# Altium PCB PCB5.PcbDoc (part 12 of 16) (continued)
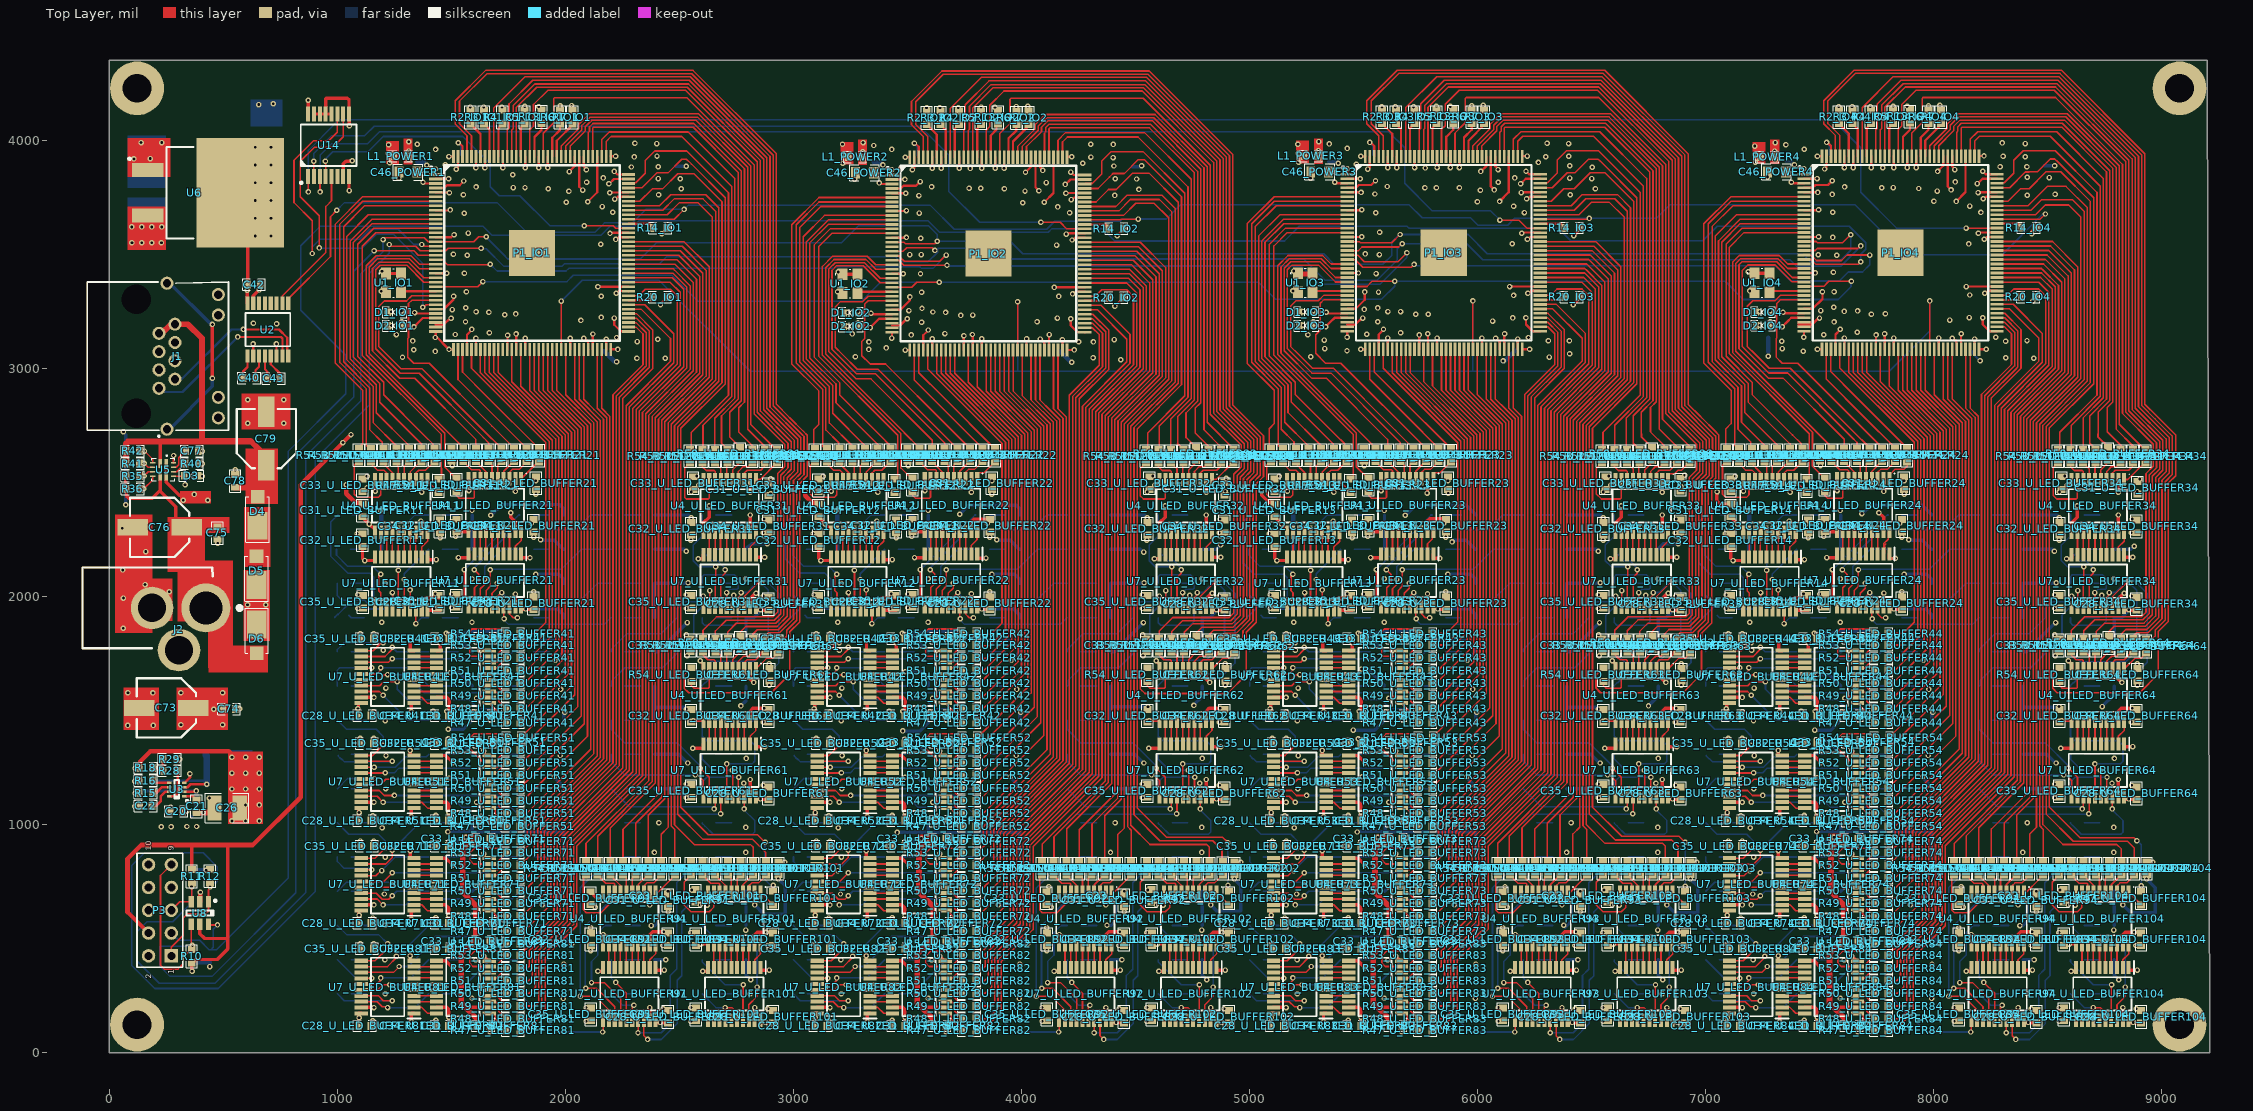
[diagram p0: Top Layer view]
## Nets (pads, with @x,y where several pads share a name; then routed paths per layer and width w, separated by ;. In a path a pad name is that pad's centre, name@x,y a point inside that pad or via, vN(x,y) a via of type N, cw(c..) or ccw(c..) an arc to the next point about the centre after c; other vN are vias at no path point) (continued)
  Top Layer w7: R51_U_LED_BUFFER11.1@1252.85,2587.16 1267.84,2572.18 U4_U_LED_BUFFER11.6@1267.84,2512.83
NetR51_U_LED_BUFFER12_1: R51_U_LED_BUFFER12.1 U4_U_LED_BUFFER12.6 | length 80.5
  Top Layer w7: R51_U_LED_BUFFER12.1@3252.85,2587.16 3267.84,2572.18 U4_U_LED_BUFFER12.6@3267.84,2512.83
NetR51_U_LED_BUFFER13_1: R51_U_LED_BUFFER13.1 U4_U_LED_BUFFER13.6 | length 80.5
  Top Layer w7: R51_U_LED_BUFFER13.1@5252.85,2587.16 5267.84,2572.18 U4_U_LED_BUFFER13.6@5267.84,2512.83
NetR51_U_LED_BUFFER14_1: R51_U_LED_BUFFER14.1 U4_U_LED_BUFFER14.6 | length 80.5
  Top Layer w7: R51_U_LED_BUFFER14.1@7252.85,2587.16 7267.84,2572.18 U4_U_LED_BUFFER14.6@7267.84,2512.83
NetR51_U_LED_BUFFER21_1: R51_U_LED_BUFFER21.1 U4_U_LED_BUFFER21.6 | length 80.5
  Top Layer w7: R51_U_LED_BUFFER21.1@1663.45,2590.5 1678.43,2575.52 U4_U_LED_BUFFER21.6@1678.43,2516.17
NetR51_U_LED_BUFFER22_1: R51_U_LED_BUFFER22.1 U4_U_LED_BUFFER22.6 | length 80.5
  Top Layer w7: R51_U_LED_BUFFER22.1@3663.45,2590.5 3678.43,2575.52 U4_U_LED_BUFFER22.6@3678.43,2516.17
NetR51_U_LED_BUFFER23_1: R51_U_LED_BUFFER23.1 U4_U_LED_BUFFER23.6 | length 80.5
  Top Layer w7: R51_U_LED_BUFFER23.1@5663.45,2590.5 5678.43,2575.52 U4_U_LED_BUFFER23.6@5678.43,2516.17
NetR51_U_LED_BUFFER24_1: R51_U_LED_BUFFER24.1 U4_U_LED_BUFFER24.6 | length 80.5
  Top Layer w7: R51_U_LED_BUFFER24.1@7663.45,2590.5 7678.43,2575.52 U4_U_LED_BUFFER24.6@7678.43,2516.17
NetR51_U_LED_BUFFER31_1: R51_U_LED_BUFFER31.1 U4_U_LED_BUFFER31.6 | length 74
  Top Layer w7: U4_U_LED_BUFFER31.6@2707.84,2512.83 2707.84,2583.28 R51_U_LED_BUFFER31.1@2710.35,2585.79
NetR51_U_LED_BUFFER32_1: R51_U_LED_BUFFER32.1 U4_U_LED_BUFFER32.6 | length 74
  Top Layer w7: U4_U_LED_BUFFER32.6@4707.84,2512.83 4707.84,2583.28 R51_U_LED_BUFFER32.1@4710.35,2585.79
NetR51_U_LED_BUFFER33_1: R51_U_LED_BUFFER33.1 U4_U_LED_BUFFER33.6 | length 74
  Top Layer w7: U4_U_LED_BUFFER33.6@6707.84,2512.83 6707.84,2583.28 R51_U_LED_BUFFER33.1@6710.35,2585.79
NetR51_U_LED_BUFFER34_1: R51_U_LED_BUFFER34.1 U4_U_LED_BUFFER34.6 | length 74
  Top Layer w7: U4_U_LED_BUFFER34.6@8707.84,2512.83 8707.84,2583.28 R51_U_LED_BUFFER34.1@8710.35,2585.79
NetR51_U_LED_BUFFER41_1: R51_U_LED_BUFFER41.1 U4_U_LED_BUFFER41.6 | length 80.5
  Top Layer w7: U4_U_LED_BUFFER41.6@1666.3,1659.96 1725.65,1659.96 R51_U_LED_BUFFER41.1@1740.63,1674.94
NetR51_U_LED_BUFFER42_1: R51_U_LED_BUFFER42.1 U4_U_LED_BUFFER42.6 | length 80.5
  Top Layer w7: U4_U_LED_BUFFER42.6@3666.3,1659.96 3725.65,1659.96 R51_U_LED_BUFFER42.1@3740.63,1674.94
NetR51_U_LED_BUFFER43_1: R51_U_LED_BUFFER43.1 U4_U_LED_BUFFER43.6 | length 80.5
  Top Layer w7: U4_U_LED_BUFFER43.6@5666.3,1659.96 5725.65,1659.96 R51_U_LED_BUFFER43.1@5740.63,1674.94
NetR51_U_LED_BUFFER44_1: R51_U_LED_BUFFER44.1 U4_U_LED_BUFFER44.6 | length 80.5
  Top Layer w7: U4_U_LED_BUFFER44.6@7666.3,1659.96 7725.65,1659.96 R51_U_LED_BUFFER44.1@7740.63,1674.94
NetR51_U_LED_BUFFER51_1: R51_U_LED_BUFFER51.1 U4_U_LED_BUFFER51.6 | length 80.5
  Top Layer w7: U4_U_LED_BUFFER51.6@1666.3,1199.96 1725.65,1199.96 R51_U_LED_BUFFER51.1@1740.63,1214.94
NetR51_U_LED_BUFFER52_1: R51_U_LED_BUFFER52.1 U4_U_LED_BUFFER52.6 | length 80.5
  Top Layer w7: U4_U_LED_BUFFER52.6@3666.3,1199.96 3725.65,1199.96 R51_U_LED_BUFFER52.1@3740.63,1214.94
NetR51_U_LED_BUFFER53_1: R51_U_LED_BUFFER53.1 U4_U_LED_BUFFER53.6 | length 80.5
  Top Layer w7: U4_U_LED_BUFFER53.6@5666.3,1199.96 5725.65,1199.96 R51_U_LED_BUFFER53.1@5740.63,1214.94
NetR51_U_LED_BUFFER54_1: R51_U_LED_BUFFER54.1 U4_U_LED_BUFFER54.6 | length 80.5
  Top Layer w7: U4_U_LED_BUFFER54.6@7666.3,1199.96 7725.65,1199.96 R51_U_LED_BUFFER54.1@7740.63,1214.94
NetR51_U_LED_BUFFER61_1: R51_U_LED_BUFFER61.1 U4_U_LED_BUFFER61.6 | length 75.3
  Top Layer w7: U4_U_LED_BUFFER61.6@2707.84,1682.83 2707.84,1751.04 R51_U_LED_BUFFER61.1@2712.85,1756.05
NetR51_U_LED_BUFFER62_1: R51_U_LED_BUFFER62.1 U4_U_LED_BUFFER62.6 | length 75.3
  Top Layer w7: U4_U_LED_BUFFER62.6@4707.84,1682.83 4707.84,1751.04 R51_U_LED_BUFFER62.1@4712.85,1756.05
NetR51_U_LED_BUFFER63_1: R51_U_LED_BUFFER63.1 U4_U_LED_BUFFER63.6 | length 75.3
  Top Layer w7: U4_U_LED_BUFFER63.6@6707.84,1682.83 6707.84,1751.04 R51_U_LED_BUFFER63.1@6712.85,1756.05
NetR51_U_LED_BUFFER64_1: R51_U_LED_BUFFER64.1 U4_U_LED_BUFFER64.6 | length 75.3
  Top Layer w7: U4_U_LED_BUFFER64.6@8707.84,1682.83 8707.84,1751.04 R51_U_LED_BUFFER64.1@8712.85,1756.05
NetR51_U_LED_BUFFER71_1: R51_U_LED_BUFFER71.1 U4_U_LED_BUFFER71.6 | length 80.5
  Top Layer w7: U4_U_LED_BUFFER71.6@1666.3,749.96 1725.65,749.96 R51_U_LED_BUFFER71.1@1740.63,764.94
NetR51_U_LED_BUFFER72_1: R51_U_LED_BUFFER72.1 U4_U_LED_BUFFER72.6 | length 80.5
  Top Layer w7: U4_U_LED_BUFFER72.6@3666.3,749.96 3725.65,749.96 R51_U_LED_BUFFER72.1@3740.63,764.94
NetR51_U_LED_BUFFER73_1: R51_U_LED_BUFFER73.1 U4_U_LED_BUFFER73.6 | length 80.5
  Top Layer w7: U4_U_LED_BUFFER73.6@5666.3,749.96 5725.65,749.96 R51_U_LED_BUFFER73.1@5740.63,764.94
NetR51_U_LED_BUFFER74_1: R51_U_LED_BUFFER74.1 U4_U_LED_BUFFER74.6 | length 80.5
  Top Layer w7: U4_U_LED_BUFFER74.6@7666.3,749.96 7725.65,749.96 R51_U_LED_BUFFER74.1@7740.63,764.94
NetR51_U_LED_BUFFER81_1: R51_U_LED_BUFFER81.1 U4_U_LED_BUFFER81.6 | length 80.5
  Top Layer w7: U4_U_LED_BUFFER81.6@1666.3,299.96 1725.65,299.96 R51_U_LED_BUFFER81.1@1740.63,314.94
NetR51_U_LED_BUFFER82_1: R51_U_LED_BUFFER82.1 U4_U_LED_BUFFER82.6 | length 80.5
  Top Layer w7: U4_U_LED_BUFFER82.6@3666.3,299.96 3725.65,299.96 R51_U_LED_BUFFER82.1@3740.63,314.94
NetR51_U_LED_BUFFER83_1: R51_U_LED_BUFFER83.1 U4_U_LED_BUFFER83.6 | length 80.5
  Top Layer w7: U4_U_LED_BUFFER83.6@5666.3,299.96 5725.65,299.96 R51_U_LED_BUFFER83.1@5740.63,314.94
NetR51_U_LED_BUFFER84_1: R51_U_LED_BUFFER84.1 U4_U_LED_BUFFER84.6 | length 80.5
  Top Layer w7: U4_U_LED_BUFFER84.6@7666.3,299.96 7725.65,299.96 R51_U_LED_BUFFER84.1@7740.63,314.94
NetR51_U_LED_BUFFER91_1: R51_U_LED_BUFFER91.1 U4_U_LED_BUFFER91.6 | length 80.5
  Top Layer w7: R51_U_LED_BUFFER91.1@2252.85,777.16 2267.84,762.18 U4_U_LED_BUFFER91.6@2267.84,702.83
NetR51_U_LED_BUFFER92_1: R51_U_LED_BUFFER92.1 U4_U_LED_BUFFER92.6 | length 80.5
  Top Layer w7: R51_U_LED_BUFFER92.1@4252.85,777.16 4267.84,762.18 U4_U_LED_BUFFER92.6@4267.84,702.83
NetR51_U_LED_BUFFER93_1: R51_U_LED_BUFFER93.1 U4_U_LED_BUFFER93.6 | length 80.5
  Top Layer w7: R51_U_LED_BUFFER93.1@6252.85,777.16 6267.84,762.18 U4_U_LED_BUFFER93.6@6267.84,702.83
NetR51_U_LED_BUFFER94_1: R51_U_LED_BUFFER94.1 U4_U_LED_BUFFER94.6 | length 80.5
  Top Layer w7: R51_U_LED_BUFFER94.1@8252.85,777.16 8267.84,762.18 U4_U_LED_BUFFER94.6@8267.84,702.83
NetR51_U_LED_BUFFER101_1: R51_U_LED_BUFFER101.1 U4_U_LED_BUFFER101.6 | length 80.5
  Top Layer w7: R51_U_LED_BUFFER101.1@2712.85,777.16 2727.84,762.18 U4_U_LED_BUFFER101.6@2727.84,702.83
NetR51_U_LED_BUFFER102_1: R51_U_LED_BUFFER102.1 U4_U_LED_BUFFER102.6 | length 80.5
  Top Layer w7: R51_U_LED_BUFFER102.1@4712.85,777.16 4727.84,762.18 U4_U_LED_BUFFER102.6@4727.84,702.83
NetR51_U_LED_BUFFER103_1: R51_U_LED_BUFFER103.1 U4_U_LED_BUFFER103.6 | length 80.5
  Top Layer w7: R51_U_LED_BUFFER103.1@6712.85,777.16 6727.84,762.18 U4_U_LED_BUFFER103.6@6727.84,702.83
NetR51_U_LED_BUFFER104_1: R51_U_LED_BUFFER104.1 U4_U_LED_BUFFER104.6 | length 80.5
  Top Layer w7: R51_U_LED_BUFFER104.1@8712.85,777.16 8727.84,762.18 U4_U_LED_BUFFER104.6@8727.84,702.83
NetR52_U_LED_BUFFER11_1: R52_U_LED_BUFFER11.1 U4_U_LED_BUFFER11.7 | length 92.9
  Top Layer w7: R52_U_LED_BUFFER11.1@1197.3,2587.16 1242.25,2542.22 U4_U_LED_BUFFER11.7@1242.25,2512.83
NetR52_U_LED_BUFFER12_1: R52_U_LED_BUFFER12.1 U4_U_LED_BUFFER12.7 | length 92.9
  Top Layer w7: R52_U_LED_BUFFER12.1@3197.3,2587.16 3242.25,2542.22 U4_U_LED_BUFFER12.7@3242.25,2512.83
NetR52_U_LED_BUFFER13_1: R52_U_LED_BUFFER13.1 U4_U_LED_BUFFER13.7 | length 92.9
  Top Layer w7: R52_U_LED_BUFFER13.1@5197.3,2587.16 5242.25,2542.22 U4_U_LED_BUFFER13.7@5242.25,2512.83
NetR52_U_LED_BUFFER14_1: R52_U_LED_BUFFER14.1 U4_U_LED_BUFFER14.7 | length 92.9
  Top Layer w7: R52_U_LED_BUFFER14.1@7197.3,2587.16 7242.25,2542.22 U4_U_LED_BUFFER14.7@7242.25,2512.83
NetR52_U_LED_BUFFER21_1: R52_U_LED_BUFFER21.1 U4_U_LED_BUFFER21.7 | length 92.9
  Top Layer w7: R52_U_LED_BUFFER21.1@1607.89,2590.5 1652.84,2545.56 U4_U_LED_BUFFER21.7@1652.84,2516.17
NetR52_U_LED_BUFFER22_1: R52_U_LED_BUFFER22.1 U4_U_LED_BUFFER22.7 | length 92.9
  Top Layer w7: R52_U_LED_BUFFER22.1@3607.89,2590.5 3652.84,2545.56 U4_U_LED_BUFFER22.7@3652.84,2516.17
NetR52_U_LED_BUFFER23_1: R52_U_LED_BUFFER23.1 U4_U_LED_BUFFER23.7 | length 92.9
  Top Layer w7: R52_U_LED_BUFFER23.1@5607.89,2590.5 5652.84,2545.56 U4_U_LED_BUFFER23.7@5652.84,2516.17
NetR52_U_LED_BUFFER24_1: R52_U_LED_BUFFER24.1 U4_U_LED_BUFFER24.7 | length 92.9
  Top Layer w7: R52_U_LED_BUFFER24.1@7607.89,2590.5 7652.84,2545.56 U4_U_LED_BUFFER24.7@7652.84,2516.17
NetR52_U_LED_BUFFER31_1: R52_U_LED_BUFFER31.1 U4_U_LED_BUFFER31.7 | length 84
  Top Layer w7: R52_U_LED_BUFFER31.1@2655.63,2585.79 2682.25,2559.18 U4_U_LED_BUFFER31.7@2682.25,2512.83
NetR52_U_LED_BUFFER32_1: R52_U_LED_BUFFER32.1 U4_U_LED_BUFFER32.7 | length 84
  Top Layer w7: R52_U_LED_BUFFER32.1@4655.63,2585.79 4682.25,2559.18 U4_U_LED_BUFFER32.7@4682.25,2512.83
NetR52_U_LED_BUFFER33_1: R52_U_LED_BUFFER33.1 U4_U_LED_BUFFER33.7 | length 84
  Top Layer w7: R52_U_LED_BUFFER33.1@6655.63,2585.79 6682.25,2559.18 U4_U_LED_BUFFER33.7@6682.25,2512.83
NetR52_U_LED_BUFFER34_1: R52_U_LED_BUFFER34.1 U4_U_LED_BUFFER34.7 | length 84
  Top Layer w7: R52_U_LED_BUFFER34.1@8655.63,2585.79 8682.25,2559.18 U4_U_LED_BUFFER34.7@8682.25,2512.83
NetR52_U_LED_BUFFER41_1: R52_U_LED_BUFFER41.1 U4_U_LED_BUFFER41.7 | length 92.9
  Top Layer w7: U4_U_LED_BUFFER41.7@1666.3,1685.55 1695.68,1685.55 R52_U_LED_BUFFER41.1@1740.63,1730.5
NetR52_U_LED_BUFFER42_1: R52_U_LED_BUFFER42.1 U4_U_LED_BUFFER42.7 | length 92.9
  Top Layer w7: U4_U_LED_BUFFER42.7@3666.3,1685.55 3695.68,1685.55 R52_U_LED_BUFFER42.1@3740.63,1730.5
NetR52_U_LED_BUFFER43_1: R52_U_LED_BUFFER43.1 U4_U_LED_BUFFER43.7 | length 92.9
  Top Layer w7: U4_U_LED_BUFFER43.7@5666.3,1685.55 5695.68,1685.55 R52_U_LED_BUFFER43.1@5740.63,1730.5
NetR52_U_LED_BUFFER44_1: R52_U_LED_BUFFER44.1 U4_U_LED_BUFFER44.7 | length 92.9
  Top Layer w7: U4_U_LED_BUFFER44.7@7666.3,1685.55 7695.68,1685.55 R52_U_LED_BUFFER44.1@7740.63,1730.5
NetR52_U_LED_BUFFER51_1: R52_U_LED_BUFFER51.1 U4_U_LED_BUFFER51.7 | length 92.9
  Top Layer w7: U4_U_LED_BUFFER51.7@1666.3,1225.55 1695.68,1225.55 R52_U_LED_BUFFER51.1@1740.63,1270.5
NetR52_U_LED_BUFFER52_1: R52_U_LED_BUFFER52.1 U4_U_LED_BUFFER52.7 | length 92.9
  Top Layer w7: U4_U_LED_BUFFER52.7@3666.3,1225.55 3695.68,1225.55 R52_U_LED_BUFFER52.1@3740.63,1270.5
NetR52_U_LED_BUFFER53_1: R52_U_LED_BUFFER53.1 U4_U_LED_BUFFER53.7 | length 92.9
  Top Layer w7: U4_U_LED_BUFFER53.7@5666.3,1225.55 5695.68,1225.55 R52_U_LED_BUFFER53.1@5740.63,1270.5
NetR52_U_LED_BUFFER54_1: R52_U_LED_BUFFER54.1 U4_U_LED_BUFFER54.7 | length 92.9
  Top Layer w7: U4_U_LED_BUFFER54.7@7666.3,1225.55 7695.68,1225.55 R52_U_LED_BUFFER54.1@7740.63,1270.5
NetR52_U_LED_BUFFER61_1: R52_U_LED_BUFFER61.1 U4_U_LED_BUFFER61.7 | length 82.3
  Top Layer w7: R52_U_LED_BUFFER61.1@2664.15,1757.6 2682.25,1739.5 U4_U_LED_BUFFER61.7@2682.25,1682.83
NetR52_U_LED_BUFFER62_1: R52_U_LED_BUFFER62.1 U4_U_LED_BUFFER62.7 | length 82.3
  Top Layer w7: R52_U_LED_BUFFER62.1@4664.15,1757.6 4682.25,1739.5 U4_U_LED_BUFFER62.7@4682.25,1682.83
NetR52_U_LED_BUFFER63_1: R52_U_LED_BUFFER63.1 U4_U_LED_BUFFER63.7 | length 82.3
  Top Layer w7: R52_U_LED_BUFFER63.1@6664.15,1757.6 6682.25,1739.5 U4_U_LED_BUFFER63.7@6682.25,1682.83
NetR52_U_LED_BUFFER64_1: R52_U_LED_BUFFER64.1 U4_U_LED_BUFFER64.7 | length 82.3
  Top Layer w7: R52_U_LED_BUFFER64.1@8664.15,1757.6 8682.25,1739.5 U4_U_LED_BUFFER64.7@8682.25,1682.83
NetR52_U_LED_BUFFER71_1: R52_U_LED_BUFFER71.1 U4_U_LED_BUFFER71.7 | length 92.9
  Top Layer w7: U4_U_LED_BUFFER71.7@1666.3,775.55 1695.68,775.55 R52_U_LED_BUFFER71.1@1740.63,820.5
NetR52_U_LED_BUFFER72_1: R52_U_LED_BUFFER72.1 U4_U_LED_BUFFER72.7 | length 92.9
  Top Layer w7: U4_U_LED_BUFFER72.7@3666.3,775.55 3695.68,775.55 R52_U_LED_BUFFER72.1@3740.63,820.5
NetR52_U_LED_BUFFER73_1: R52_U_LED_BUFFER73.1 U4_U_LED_BUFFER73.7 | length 92.9
  Top Layer w7: U4_U_LED_BUFFER73.7@5666.3,775.55 5695.68,775.55 R52_U_LED_BUFFER73.1@5740.63,820.5
NetR52_U_LED_BUFFER74_1: R52_U_LED_BUFFER74.1 U4_U_LED_BUFFER74.7 | length 92.9
  Top Layer w7: U4_U_LED_BUFFER74.7@7666.3,775.55 7695.68,775.55 R52_U_LED_BUFFER74.1@7740.63,820.5
NetR52_U_LED_BUFFER81_1: R52_U_LED_BUFFER81.1 U4_U_LED_BUFFER81.7 | length 92.9
  Top Layer w7: U4_U_LED_BUFFER81.7@1666.3,325.55 1695.68,325.55 R52_U_LED_BUFFER81.1@1740.63,370.5
NetR52_U_LED_BUFFER82_1: R52_U_LED_BUFFER82.1 U4_U_LED_BUFFER82.7 | length 92.9
  Top Layer w7: U4_U_LED_BUFFER82.7@3666.3,325.55 3695.68,325.55 R52_U_LED_BUFFER82.1@3740.63,370.5
NetR52_U_LED_BUFFER83_1: R52_U_LED_BUFFER83.1 U4_U_LED_BUFFER83.7 | length 92.9
  Top Layer w7: U4_U_LED_BUFFER83.7@5666.3,325.55 5695.68,325.55 R52_U_LED_BUFFER83.1@5740.63,370.5
NetR52_U_LED_BUFFER84_1: R52_U_LED_BUFFER84.1 U4_U_LED_BUFFER84.7 | length 92.9
  Top Layer w7: U4_U_LED_BUFFER84.7@7666.3,325.55 7695.68,325.55 R52_U_LED_BUFFER84.1@7740.63,370.5
NetR52_U_LED_BUFFER91_1: R52_U_LED_BUFFER91.1 U4_U_LED_BUFFER91.7 | length 92.9
  Top Layer w7: R52_U_LED_BUFFER91.1@2197.3,777.16 2242.25,732.22 U4_U_LED_BUFFER91.7@2242.25,702.83
NetR52_U_LED_BUFFER92_1: R52_U_LED_BUFFER92.1 U4_U_LED_BUFFER92.7 | length 92.9
  Top Layer w7: R52_U_LED_BUFFER92.1@4197.3,777.16 4242.25,732.22 U4_U_LED_BUFFER92.7@4242.25,702.83
NetR52_U_LED_BUFFER93_1: R52_U_LED_BUFFER93.1 U4_U_LED_BUFFER93.7 | length 92.9
  Top Layer w7: R52_U_LED_BUFFER93.1@6197.3,777.16 6242.25,732.22 U4_U_LED_BUFFER93.7@6242.25,702.83
NetR52_U_LED_BUFFER94_1: R52_U_LED_BUFFER94.1 U4_U_LED_BUFFER94.7 | length 92.9
  Top Layer w7: R52_U_LED_BUFFER94.1@8197.3,777.16 8242.25,732.22 U4_U_LED_BUFFER94.7@8242.25,702.83
NetR52_U_LED_BUFFER101_1: R52_U_LED_BUFFER101.1 U4_U_LED_BUFFER101.7 | length 92.9
  Top Layer w7: R52_U_LED_BUFFER101.1@2657.3,777.16 2702.25,732.22 U4_U_LED_BUFFER101.7@2702.25,702.83
NetR52_U_LED_BUFFER102_1: R52_U_LED_BUFFER102.1 U4_U_LED_BUFFER102.7 | length 92.9
  Top Layer w7: R52_U_LED_BUFFER102.1@4657.3,777.16 4702.25,732.22 U4_U_LED_BUFFER102.7@4702.25,702.83
NetR52_U_LED_BUFFER103_1: R52_U_LED_BUFFER103.1 U4_U_LED_BUFFER103.7 | length 92.9
  Top Layer w7: R52_U_LED_BUFFER103.1@6657.3,777.16 6702.25,732.22 U4_U_LED_BUFFER103.7@6702.25,702.83
NetR52_U_LED_BUFFER104_1: R52_U_LED_BUFFER104.1 U4_U_LED_BUFFER104.7 | length 92.9
  Top Layer w7: R52_U_LED_BUFFER104.1@8657.3,777.16 8702.25,732.22 U4_U_LED_BUFFER104.7@8702.25,702.83
NetR53_U_LED_BUFFER11_1: R53_U_LED_BUFFER11.1 U4_U_LED_BUFFER11.8 | length 122.2
  Top Layer w7: R53_U_LED_BUFFER11.1@1141.74,2587.16 1142.32,2587.16 1175.33,2554.16 1203.47,2554.16 1216.66,2540.97 U4_U_LED_BUFFER11.8@1216.66,2512.83
NetR53_U_LED_BUFFER12_1: R53_U_LED_BUFFER12.1 U4_U_LED_BUFFER12.8 | length 122.2
  Top Layer w7: R53_U_LED_BUFFER12.1@3141.74,2587.16 3142.32,2587.16 3175.33,2554.16 3203.47,2554.16 3216.66,2540.97 U4_U_LED_BUFFER12.8@3216.66,2512.83
NetR53_U_LED_BUFFER13_1: R53_U_LED_BUFFER13.1 U4_U_LED_BUFFER13.8 | length 122.2
  Top Layer w7: R53_U_LED_BUFFER13.1@5141.74,2587.16 5142.32,2587.16 5175.33,2554.16 5203.47,2554.16 5216.66,2540.97 U4_U_LED_BUFFER13.8@5216.66,2512.83
NetR53_U_LED_BUFFER14_1: R53_U_LED_BUFFER14.1 U4_U_LED_BUFFER14.8 | length 122.2
  Top Layer w7: R53_U_LED_BUFFER14.1@7141.74,2587.16 7142.32,2587.16 7175.33,2554.16 7203.47,2554.16 7216.66,2540.97 U4_U_LED_BUFFER14.8@7216.66,2512.83
NetR53_U_LED_BUFFER21_1: R53_U_LED_BUFFER21.1 U4_U_LED_BUFFER21.8 | length 126.6
  Top Layer w7: R53_U_LED_BUFFER21.1@1552.34,2590.5 1552.92,2590.5 1588.08,2555.34 1588.45,2555.71 1622.89,2555.71 1627.23,2551.37 1627.23,2549.14 ; U4_U_LED_BUFFER21.8@1627.25,2516.17 1627.25,2549.12
NetR53_U_LED_BUFFER22_1: R53_U_LED_BUFFER22.1 U4_U_LED_BUFFER22.8 | length 126.6
  Top Layer w7: R53_U_LED_BUFFER22.1@3552.34,2590.5 3552.92,2590.5 3588.08,2555.34 3588.45,2555.71 3622.89,2555.71 3627.23,2551.37 3627.23,2549.14 ; U4_U_LED_BUFFER22.8@3627.25,2516.17 3627.25,2549.12
NetR53_U_LED_BUFFER23_1: R53_U_LED_BUFFER23.1 U4_U_LED_BUFFER23.8 | length 126.6
  Top Layer w7: R53_U_LED_BUFFER23.1@5552.34,2590.5 5552.92,2590.5 5588.08,2555.34 5588.45,2555.71 5622.89,2555.71 5627.23,2551.37 5627.23,2549.14 ; U4_U_LED_BUFFER23.8@5627.25,2516.17 5627.25,2549.12
NetR53_U_LED_BUFFER24_1: R53_U_LED_BUFFER24.1 U4_U_LED_BUFFER24.8 | length 126.6
  Top Layer w7: R53_U_LED_BUFFER24.1@7552.34,2590.5 7552.92,2590.5 7588.08,2555.34 7588.45,2555.71 7622.89,2555.71 7627.23,2551.37 7627.23,2549.14 ; U4_U_LED_BUFFER24.8@7627.25,2516.17 7627.25,2549.12
NetR53_U_LED_BUFFER31_1: R53_U_LED_BUFFER31.1 U4_U_LED_BUFFER31.8 | length 117
  Top Layer w7: R53_U_LED_BUFFER31.1@2600.92,2585.79 2600.92,2568.57 2617.49,2552 2617.86,2552.37 2652.29,2552.37 2656.63,2548.03 2656.63,2545.8 ; U4_U_LED_BUFFER31.8@2656.66,2512.83 2656.66,2545.78
NetR53_U_LED_BUFFER32_1: R53_U_LED_BUFFER32.1 U4_U_LED_BUFFER32.8 | length 117
  Top Layer w7: R53_U_LED_BUFFER32.1@4600.92,2585.79 4600.92,2568.57 4617.49,2552 4617.86,2552.37 4652.29,2552.37 4656.63,2548.03 4656.63,2545.8 ; U4_U_LED_BUFFER32.8@4656.66,2512.83 4656.66,2545.78
NetR53_U_LED_BUFFER33_1: R53_U_LED_BUFFER33.1 U4_U_LED_BUFFER33.8 | length 117
  Top Layer w7: R53_U_LED_BUFFER33.1@6600.92,2585.79 6600.92,2568.57 6617.49,2552 6617.86,2552.37 6652.29,2552.37 6656.63,2548.03 6656.63,2545.8 ; U4_U_LED_BUFFER33.8@6656.66,2512.83 6656.66,2545.78
NetR53_U_LED_BUFFER34_1: R53_U_LED_BUFFER34.1 U4_U_LED_BUFFER34.8 | length 117
  Top Layer w7: R53_U_LED_BUFFER34.1@8600.92,2585.79 8600.92,2568.57 8617.49,2552 8617.86,2552.37 8652.29,2552.37 8656.63,2548.03 8656.63,2545.8 ; U4_U_LED_BUFFER34.8@8656.66,2512.83 8656.66,2545.78
NetR53_U_LED_BUFFER41_1: R53_U_LED_BUFFER41.1 U4_U_LED_BUFFER41.8 | length 126.6
  Top Layer w7: U4_U_LED_BUFFER41.8@1666.3,1711.14 1699.24,1711.14 ; 1699.27,1711.16 1701.5,1711.16 1705.84,1715.5 1705.84,1749.94 1705.47,1750.31 1740.63,1785.47 R53_U_LED_BUFFER41.1@1740.63,1786.05
NetR53_U_LED_BUFFER42_1: R53_U_LED_BUFFER42.1 U4_U_LED_BUFFER42.8 | length 126.6
  Top Layer w7: U4_U_LED_BUFFER42.8@3666.3,1711.14 3699.24,1711.14 ; 3699.27,1711.16 3701.5,1711.16 3705.84,1715.5 3705.84,1749.94 3705.47,1750.31 3740.63,1785.47 R53_U_LED_BUFFER42.1@3740.63,1786.05
NetR53_U_LED_BUFFER43_1: R53_U_LED_BUFFER43.1 U4_U_LED_BUFFER43.8 | length 126.6
  Top Layer w7: U4_U_LED_BUFFER43.8@5666.3,1711.14 5699.24,1711.14 ; 5699.27,1711.16 5701.5,1711.16 5705.84,1715.5 5705.84,1749.94 5705.47,1750.31 5740.63,1785.47 R53_U_LED_BUFFER43.1@5740.63,1786.05
NetR53_U_LED_BUFFER44_1: R53_U_LED_BUFFER44.1 U4_U_LED_BUFFER44.8 | length 126.6
  Top Layer w7: U4_U_LED_BUFFER44.8@7666.3,1711.14 7699.24,1711.14 ; 7699.27,1711.16 7701.5,1711.16 7705.84,1715.5 7705.84,1749.94 7705.47,1750.31 7740.63,1785.47 R53_U_LED_BUFFER44.1@7740.63,1786.05
NetR53_U_LED_BUFFER51_1: R53_U_LED_BUFFER51.1 U4_U_LED_BUFFER51.8 | length 126.6
  Top Layer w7: U4_U_LED_BUFFER51.8@1666.3,1251.14 1699.24,1251.14 ; 1699.27,1251.16 1701.5,1251.16 1705.84,1255.5 1705.84,1289.94 1705.47,1290.31 1740.63,1325.47 R53_U_LED_BUFFER51.1@1740.63,1326.05
NetR53_U_LED_BUFFER52_1: R53_U_LED_BUFFER52.1 U4_U_LED_BUFFER52.8 | length 126.6
  Top Layer w7: U4_U_LED_BUFFER52.8@3666.3,1251.14 3699.24,1251.14 ; 3699.27,1251.16 3701.5,1251.16 3705.84,1255.5 3705.84,1289.94 3705.47,1290.31 3740.63,1325.47 R53_U_LED_BUFFER52.1@3740.63,1326.05
NetR53_U_LED_BUFFER53_1: R53_U_LED_BUFFER53.1 U4_U_LED_BUFFER53.8 | length 126.6
  Top Layer w7: U4_U_LED_BUFFER53.8@5666.3,1251.14 5699.24,1251.14 ; 5699.27,1251.16 5701.5,1251.16 5705.84,1255.5 5705.84,1289.94 5705.47,1290.31 5740.63,1325.47 R53_U_LED_BUFFER53.1@5740.63,1326.05
NetR53_U_LED_BUFFER54_1: R53_U_LED_BUFFER54.1 U4_U_LED_BUFFER54.8 | length 126.6
  Top Layer w7: U4_U_LED_BUFFER54.8@7666.3,1251.14 7699.24,1251.14 ; 7699.27,1251.16 7701.5,1251.16 7705.84,1255.5 7705.84,1289.94 7705.47,1290.31 7740.63,1325.47 R53_U_LED_BUFFER54.1@7740.63,1326.05
NetR53_U_LED_BUFFER61_1: R53_U_LED_BUFFER61.1 U4_U_LED_BUFFER61.8 | length 111.3
  Top Layer w7: R53_U_LED_BUFFER61.1@2603.66,1756.05 2603.66,1743.45 2615.45,1731.66 2624.74,1722.37 2652.29,1722.37 2656.63,1718.03 2656.63,1715.8 ; U4_U_LED_BUFFER61.8@2656.66,1682.83 2656.66,1715.78
NetR53_U_LED_BUFFER62_1: R53_U_LED_BUFFER62.1 U4_U_LED_BUFFER62.8 | length 111.3
  Top Layer w7: R53_U_LED_BUFFER62.1@4603.66,1756.05 4603.66,1743.45 4615.45,1731.66 4624.74,1722.37 4652.29,1722.37 4656.63,1718.03 4656.63,1715.8 ; U4_U_LED_BUFFER62.8@4656.66,1682.83 4656.66,1715.78
NetR53_U_LED_BUFFER63_1: R53_U_LED_BUFFER63.1 U4_U_LED_BUFFER63.8 | length 111.3
  Top Layer w7: R53_U_LED_BUFFER63.1@6603.66,1756.05 6603.66,1743.45 6615.45,1731.66 6624.74,1722.37 6652.29,1722.37 6656.63,1718.03 6656.63,1715.8 ; U4_U_LED_BUFFER63.8@6656.66,1682.83 6656.66,1715.78
NetR53_U_LED_BUFFER64_1: R53_U_LED_BUFFER64.1 U4_U_LED_BUFFER64.8 | length 111.3
  Top Layer w7: R53_U_LED_BUFFER64.1@8603.66,1756.05 8603.66,1743.45 8615.45,1731.66 8624.74,1722.37 8652.29,1722.37 8656.63,1718.03 8656.63,1715.8 ; U4_U_LED_BUFFER64.8@8656.66,1682.83 8656.66,1715.78
NetR53_U_LED_BUFFER71_1: R53_U_LED_BUFFER71.1 U4_U_LED_BUFFER71.8 | length 126.6
  Top Layer w7: U4_U_LED_BUFFER71.8@1666.3,801.14 1699.24,801.14 ; 1699.27,801.16 1701.5,801.16 1705.84,805.5 1705.84,839.94 1705.47,840.31 1740.63,875.47 R53_U_LED_BUFFER71.1@1740.63,876.05
NetR53_U_LED_BUFFER72_1: R53_U_LED_BUFFER72.1 U4_U_LED_BUFFER72.8 | length 126.6
  Top Layer w7: U4_U_LED_BUFFER72.8@3666.3,801.14 3699.24,801.14 ; 3699.27,801.16 3701.5,801.16 3705.84,805.5 3705.84,839.94 3705.47,840.31 3740.63,875.47 R53_U_LED_BUFFER72.1@3740.63,876.05
NetR53_U_LED_BUFFER73_1: R53_U_LED_BUFFER73.1 U4_U_LED_BUFFER73.8 | length 126.6
  Top Layer w7: U4_U_LED_BUFFER73.8@5666.3,801.14 5699.24,801.14 ; 5699.27,801.16 5701.5,801.16 5705.84,805.5 5705.84,839.94 5705.47,840.31 5740.63,875.47 R53_U_LED_BUFFER73.1@5740.63,876.05
NetR53_U_LED_BUFFER74_1: R53_U_LED_BUFFER74.1 U4_U_LED_BUFFER74.8 | length 126.6
  Top Layer w7: U4_U_LED_BUFFER74.8@7666.3,801.14 7699.24,801.14 ; 7699.27,801.16 7701.5,801.16 7705.84,805.5 7705.84,839.94 7705.47,840.31 7740.63,875.47 R53_U_LED_BUFFER74.1@7740.63,876.05
NetR53_U_LED_BUFFER81_1: R53_U_LED_BUFFER81.1 U4_U_LED_BUFFER81.8 | length 126.6
  Top Layer w7: U4_U_LED_BUFFER81.8@1666.3,351.14 1699.24,351.14 ; 1699.27,351.16 1701.5,351.16 1705.84,355.5 1705.84,389.94 1705.47,390.31 1740.63,425.47 R53_U_LED_BUFFER81.1@1740.63,426.05
NetR53_U_LED_BUFFER82_1: R53_U_LED_BUFFER82.1 U4_U_LED_BUFFER82.8 | length 126.6
  Top Layer w7: U4_U_LED_BUFFER82.8@3666.3,351.14 3699.24,351.14 ; 3699.27,351.16 3701.5,351.16 3705.84,355.5 3705.84,389.94 3705.47,390.31 3740.63,425.47 R53_U_LED_BUFFER82.1@3740.63,426.05
NetR53_U_LED_BUFFER83_1: R53_U_LED_BUFFER83.1 U4_U_LED_BUFFER83.8 | length 126.6
  Top Layer w7: U4_U_LED_BUFFER83.8@5666.3,351.14 5699.24,351.14 ; 5699.27,351.16 5701.5,351.16 5705.84,355.5 5705.84,389.94 5705.47,390.31 5740.63,425.47 R53_U_LED_BUFFER83.1@5740.63,426.05
NetR53_U_LED_BUFFER84_1: R53_U_LED_BUFFER84.1 U4_U_LED_BUFFER84.8 | length 126.6
  Top Layer w7: U4_U_LED_BUFFER84.8@7666.3,351.14 7699.24,351.14 ; 7699.27,351.16 7701.5,351.16 7705.84,355.5 7705.84,389.94 7705.47,390.31 7740.63,425.47 R53_U_LED_BUFFER84.1@7740.63,426.05
NetR53_U_LED_BUFFER91_1: R53_U_LED_BUFFER91.1 U4_U_LED_BUFFER91.8 | length 126.6
  Top Layer w7: R53_U_LED_BUFFER91.1@2141.74,777.16 2142.32,777.16 2177.49,742 2177.86,742.37 2212.29,742.37 2216.63,738.03 2216.63,735.8 ; U4_U_LED_BUFFER91.8@2216.66,702.83 2216.66,735.78
NetR53_U_LED_BUFFER92_1: R53_U_LED_BUFFER92.1 U4_U_LED_BUFFER92.8 | length 126.6
  Top Layer w7: R53_U_LED_BUFFER92.1@4141.74,777.16 4142.32,777.16 4177.49,742 4177.86,742.37 4212.29,742.37 4216.63,738.03 4216.63,735.8 ; U4_U_LED_BUFFER92.8@4216.66,702.83 4216.66,735.78
NetR53_U_LED_BUFFER93_1: R53_U_LED_BUFFER93.1 U4_U_LED_BUFFER93.8 | length 126.6
  Top Layer w7: R53_U_LED_BUFFER93.1@6141.74,777.16 6142.32,777.16 6177.49,742 6177.86,742.37 6212.29,742.37 6216.63,738.03 6216.63,735.8 ; U4_U_LED_BUFFER93.8@6216.66,702.83 6216.66,735.78
NetR53_U_LED_BUFFER94_1: R53_U_LED_BUFFER94.1 U4_U_LED_BUFFER94.8 | length 126.6
  Top Layer w7: R53_U_LED_BUFFER94.1@8141.74,777.16 8142.32,777.16 8177.49,742 8177.86,742.37 8212.29,742.37 8216.63,738.03 8216.63,735.8 ; U4_U_LED_BUFFER94.8@8216.66,702.83 8216.66,735.78
NetR53_U_LED_BUFFER101_1: R53_U_LED_BUFFER101.1 U4_U_LED_BUFFER101.8 | length 126.6
  Top Layer w7: R53_U_LED_BUFFER101.1@2601.74,777.16 2602.32,777.16 2637.49,742 2637.86,742.37 2672.29,742.37 2676.63,738.03 2676.63,735.8 ; U4_U_LED_BUFFER101.8@2676.66,702.83 2676.66,735.78
NetR53_U_LED_BUFFER102_1: R53_U_LED_BUFFER102.1 U4_U_LED_BUFFER102.8 | length 126.6
  Top Layer w7: R53_U_LED_BUFFER102.1@4601.74,777.16 4602.32,777.16 4637.49,742 4637.86,742.37 4672.29,742.37 4676.63,738.03 4676.63,735.8 ; U4_U_LED_BUFFER102.8@4676.66,702.83 4676.66,735.78
NetR53_U_LED_BUFFER103_1: R53_U_LED_BUFFER103.1 U4_U_LED_BUFFER103.8 | length 126.6
  Top Layer w7: R53_U_LED_BUFFER103.1@6601.74,777.16 6602.32,777.16 6637.49,742 6637.86,742.37 6672.29,742.37 6676.63,738.03 6676.63,735.8 ; U4_U_LED_BUFFER103.8@6676.66,702.83 6676.66,735.78
NetR53_U_LED_BUFFER104_1: R53_U_LED_BUFFER104.1 U4_U_LED_BUFFER104.8 | length 126.6
  Top Layer w7: R53_U_LED_BUFFER104.1@8601.74,777.16 8602.32,777.16 8637.49,742 8637.86,742.37 8672.29,742.37 8676.63,738.03 8676.63,735.8 ; U4_U_LED_BUFFER104.8@8676.66,702.83 8676.66,735.78
NetR54_U_LED_BUFFER11_1: R54_U_LED_BUFFER11.1 U4_U_LED_BUFFER11.9 | length 340.6
  Top Layer w7: R54_U_LED_BUFFER11.1@1088.61,2587.3 1086.13,2587.3 1074.63,2575.8 1074.63,2448.04 1088.57,2434.11 1179.31,2434.11 1190.63,2445.43 1190.63,2512.4 U4_U_LED_BUFFER11.9@1191.06,2512.83
NetR54_U_LED_BUFFER12_1: R54_U_LED_BUFFER12.1 U4_U_LED_BUFFER12.9 | length 340.6
  Top Layer w7: R54_U_LED_BUFFER12.1@3088.61,2587.3 3086.13,2587.3 3074.63,2575.8 3074.63,2448.04 3088.57,2434.11 3179.31,2434.11 3190.63,2445.43 3190.63,2512.4 U4_U_LED_BUFFER12.9@3191.06,2512.83
NetR54_U_LED_BUFFER13_1: R54_U_LED_BUFFER13.1 U4_U_LED_BUFFER13.9 | length 338.9
  Top Layer w7: R54_U_LED_BUFFER13.1@5088.61,2587.3 5086.13,2587.3 5076.63,2577.8 5076.63,2446.04 5088.57,2434.11 5179.31,2434.11 5190.63,2445.43 5190.63,2512.4 U4_U_LED_BUFFER13.9@5191.06,2512.83
NetR54_U_LED_BUFFER14_1: R54_U_LED_BUFFER14.1 U4_U_LED_BUFFER14.9 | length 340.6
  Top Layer w7: R54_U_LED_BUFFER14.1@7088.61,2587.3 7086.13,2587.3 7074.63,2575.8 7074.63,2448.04 7088.57,2434.11 7179.31,2434.11 7190.63,2445.43 7190.63,2512.4 U4_U_LED_BUFFER14.9@7191.06,2512.83
NetR54_U_LED_BUFFER21_1: R54_U_LED_BUFFER21.1 U4_U_LED_BUFFER21.9 | length 184.5
  Top Layer w7: R54_U_LED_BUFFER21.1@1522.87,2460.5 1522.87,2443 1535.36,2430.5 1597.13,2430.5 1601.23,2434.6 1601.23,2515.74 U4_U_LED_BUFFER21.9@1601.66,2516.17
NetR54_U_LED_BUFFER22_1: R54_U_LED_BUFFER22.1 U4_U_LED_BUFFER22.9 | length 184.5
  Top Layer w7: R54_U_LED_BUFFER22.1@3522.87,2460.5 3522.87,2443 3535.36,2430.5 3597.13,2430.5 3601.23,2434.6 3601.23,2515.74 U4_U_LED_BUFFER22.9@3601.66,2516.17